# Altium PCB SimPad_2.PcbDoc
Units mm, origin at the board's own origin, x right, y up, seen from the top; angles counter-clockwise.
Board outline 50 x 50 mm, 2 copper layers (Top Layer, Bottom Layer); 20 components, 25 nets, 114 pads, 41 vias.
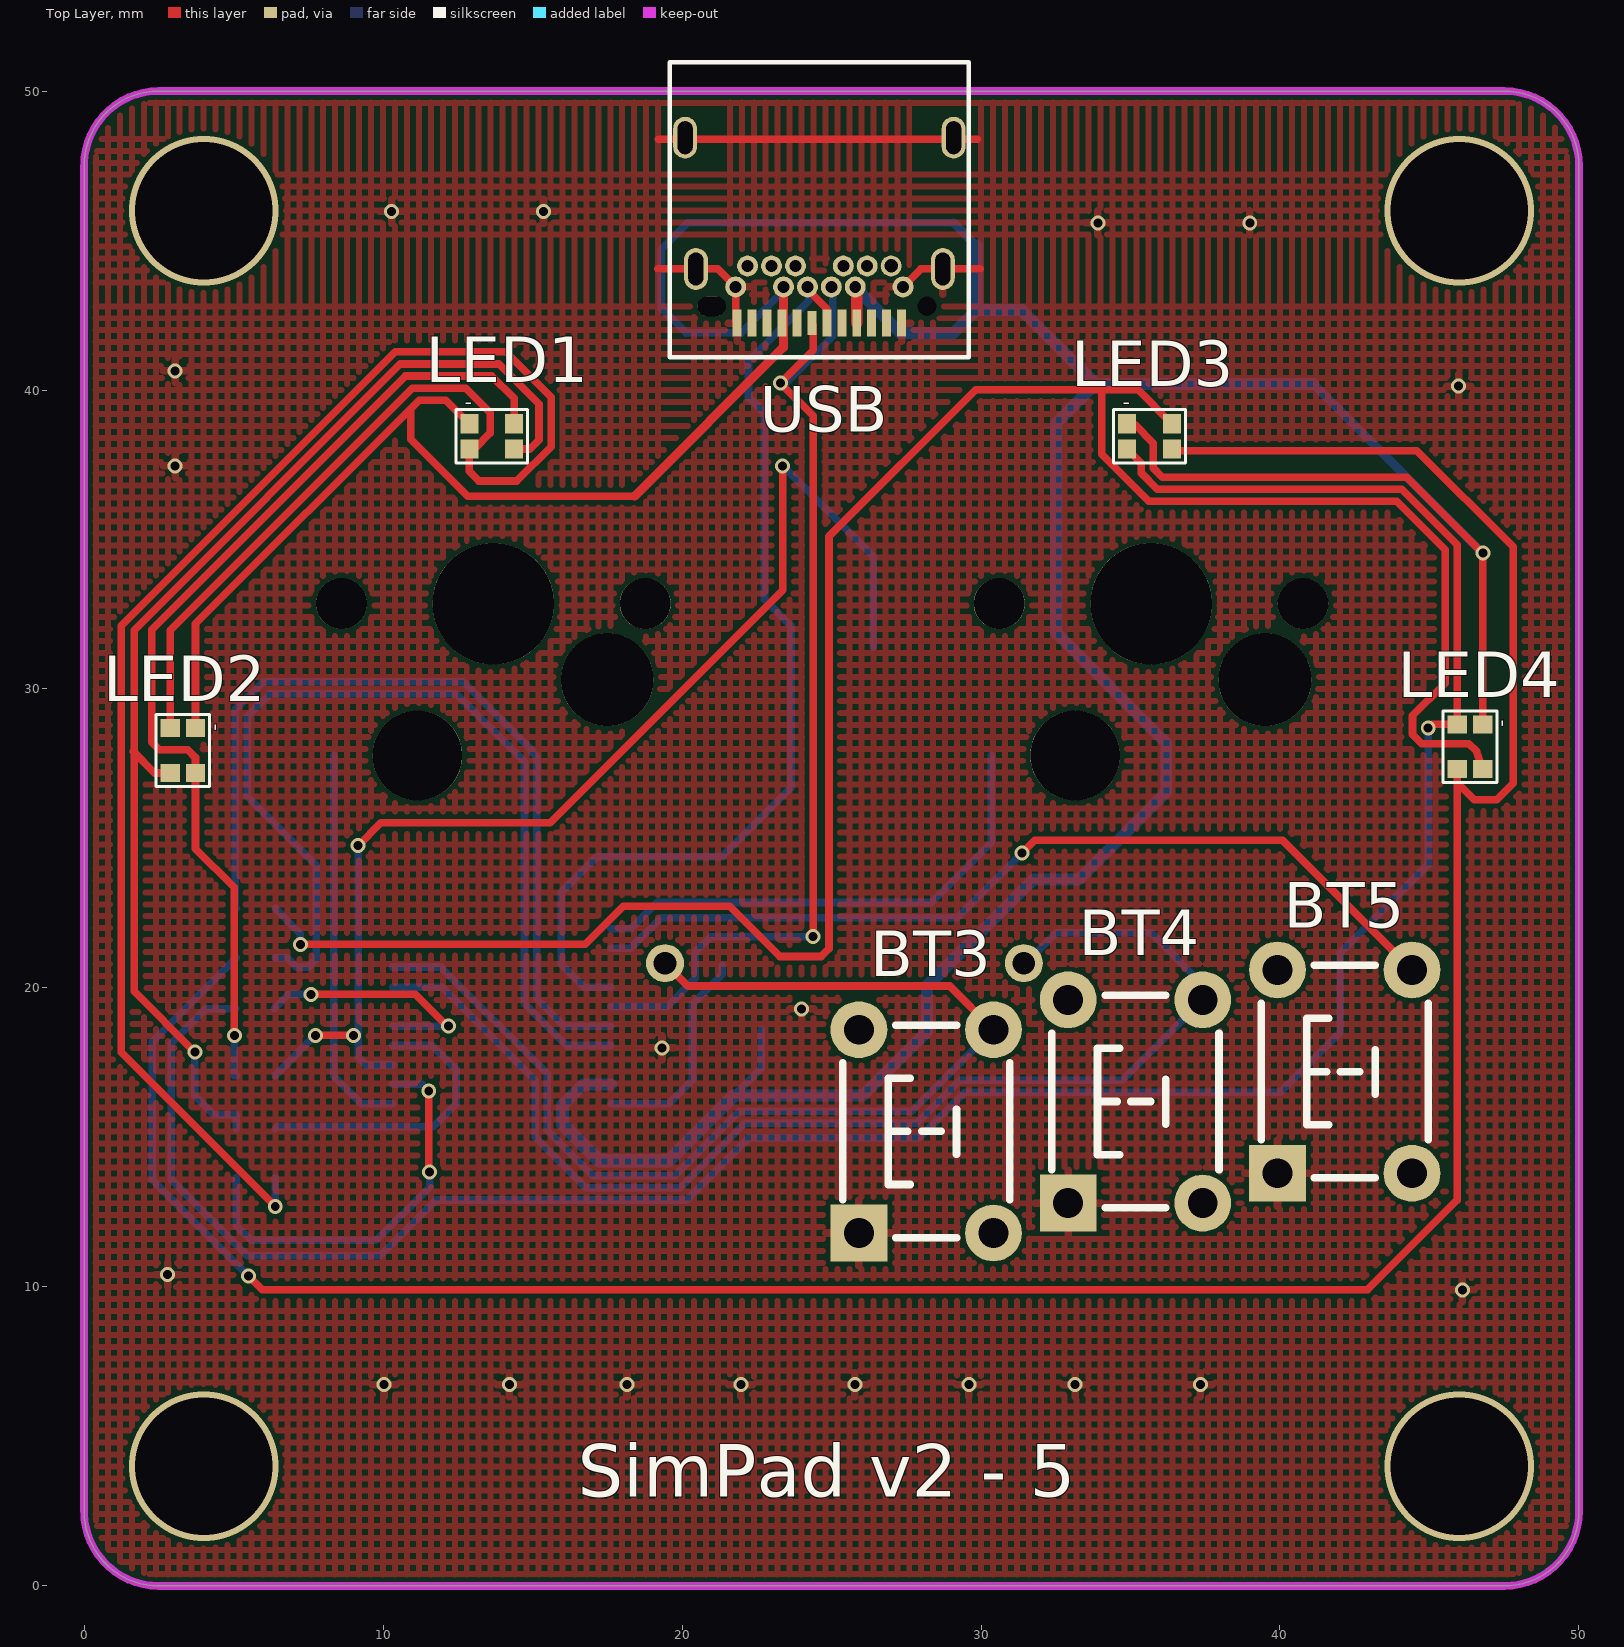
[diagram p0: Top Layer view]
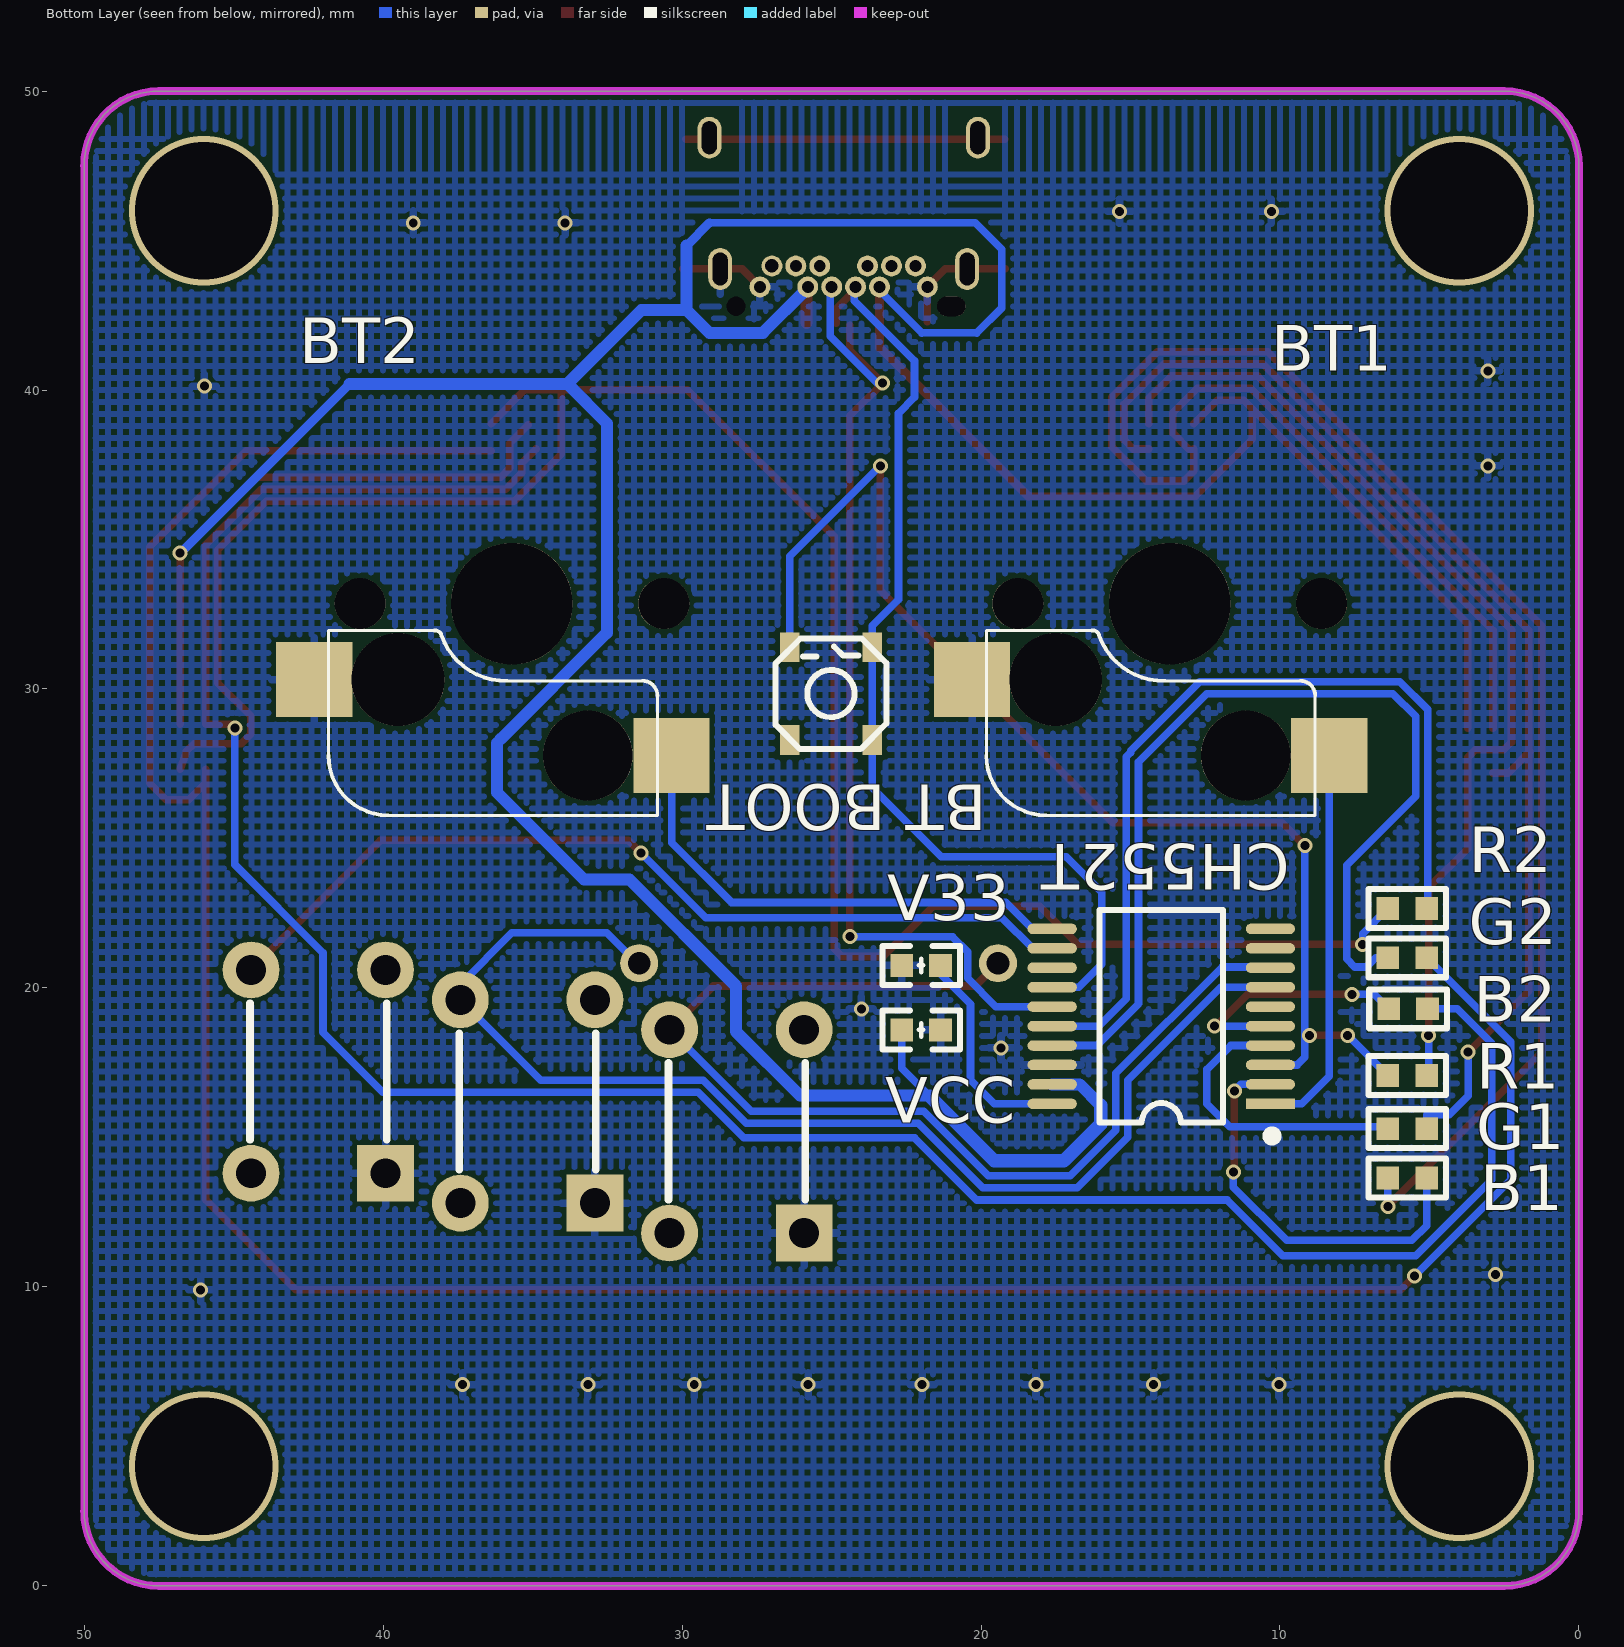
[diagram p1: Bottom Layer view, seen from below]
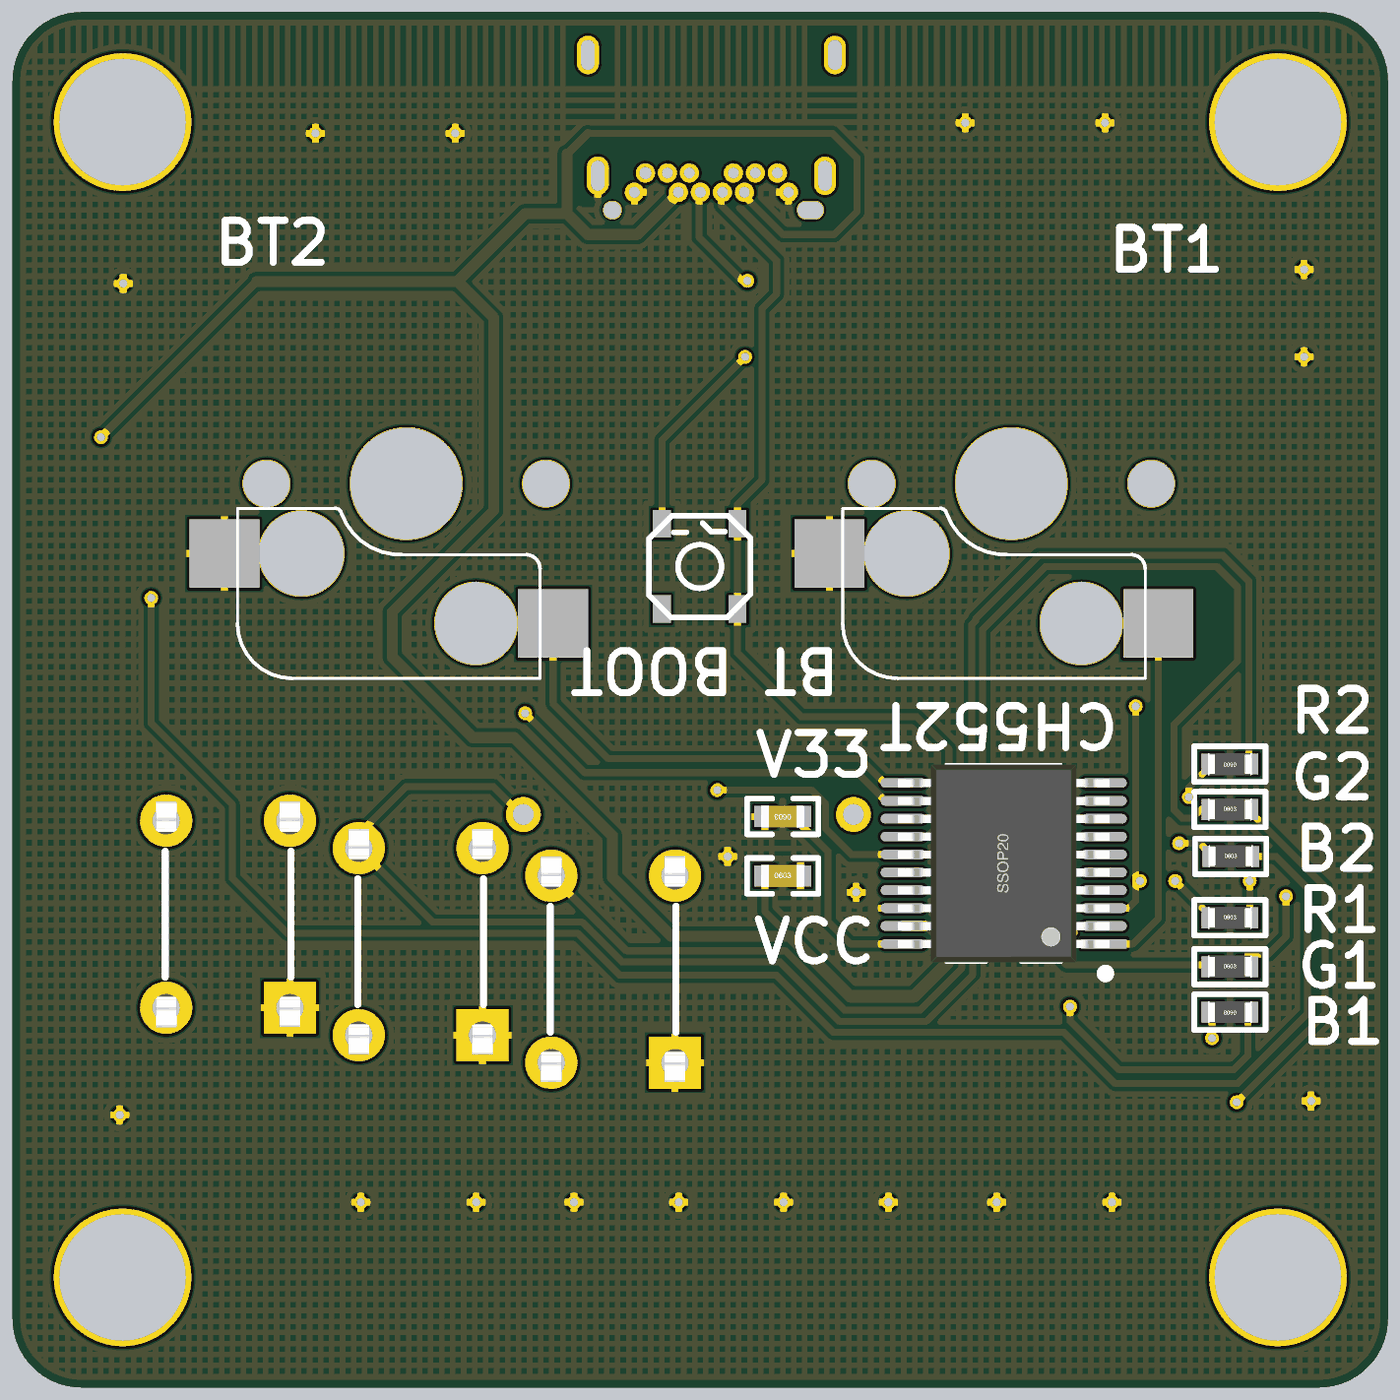
[diagram p2: 3D render of the assembled board from below, using the file's embedded part models]

## Layer stack, top to bottom
Top Layer: signal copper 0.0356
Dielectric: dielectric 0.32, FR-4, Dk 4.8
Bottom Layer: signal copper 0.0356

## Board outline
2.5,0 cw(c2.5,2.5) 0,2.5 0,47.498 0,47.5 cw(c2.5,47.5) 2.5,50 2.502,50 47.5,50 cw(c47.5,47.5) 50,47.5 50,2.502 50,2.5 cw(c47.5,2.5) 47.5,0 47.498,0

## Design rules (kind name [scope] priority, off if disabled: settings)
Clearance [All] p1: gap=0.15
PolygonConnect [All] p1: connectstyle=Relief reliefconductorwidth=0.254 reliefentries=4 polygonreliefangle="90 Angle"
RoutingVias [All] p1: holewidth=0.3 width=0.5 viastyle="Through Hole" minholewidth=0.3 minwidth=0.5 maxholewidth=0.711 maxwidth=1.27
SilkscreenOverComponentPads [All] p1: minsilkscreentomaskgap=0.254
SolderMaskExpansion [All] p1: expansion=0.102
Width [All] p1: maxlimit=2 minlimit=0.254 preferedwidth=0.254
27 further rules are at their usual default settings.

## Components (designator, comment, footprint, x,y, rotation, side; value= is the part's Value field where it differs from the comment)
B1 "100Ω" "R 0603_L" 5.745,13.644 r0 bottom (schematic designator RG1B)
B2 "100Ω" "R 0603_L" 5.715,19.304 r180 bottom (schematic designator RG2B)
BT1 "MX_SW" "MX_SW-4 - duplicate" 13.689,32.855 r180 bottom
BT2 "MX_SW" "MX_SW-4 - duplicate" 35.689,32.855 r180 bottom
BT3 "6x6x5" "TSW DIP-6*6*12" 28.165,15.204 r90 top
BT4 "6x6x5" "TSW DIP-6*6*12" 35.165,16.204 r90 top
BT5 "6x6x5" "TSW DIP-6*6*12" 42.165,17.204 r90 top
"BT BOOT" "6x6x5" PCBComponent_1 25.019,29.845 r90 bottom
CH552T "CH552T" SSOP20_N 13.97,19.05 r0 bottom (schematic designator U?)
G1 "100Ω" "R 0603_L" 5.745,15.295 r180 bottom (schematic designator RG1G)
G2 "100Ω" "R 0603_L" 5.745,21.01 r180 bottom (schematic designator RG2G)
LED1 "RGB-3528" RGB-LED 13.635,38.451 r0 top
LED2 "RGB-3528" RGB-LED 3.302,27.94 r270 top
LED3 "RGB-3528" RGB-LED 35.635,38.451 r0 top
LED4 "RGB-3528" RGB-LED 46.355,28.067 r270 top
R1 "220Ω" "R 0603_L" 5.745,17.073 r180 bottom (schematic designator RG1R)
R2 "220Ω" "R 0603_L" 5.745,22.661 r0 bottom (schematic designator RG2R)
USB "USB-C" "USB C F TYPE DIP+SMT CONN" 28.194,42.799 r180 top
V33 "104" "C 0603_L" 22.001,20.756 r0 bottom
VCC "104" "C 0603_L" 22.001,18.597 r180 bottom

## Footprints (in the part's own frame and the unit in brackets; to place one, negate y for a bottom-side part, rotate by r counter-clockwise, add the part's x,y. Pads: shape width x height; smd on the part's side, far side on the other; paste and mask are expansions set on the pad)
"C 0603_L" [mil]
  rect 30x30 smd: 1(-25.6,0) 2(25.59,0)
  silkscreen extent -51,-26 51,26, body extent -31,-16 31,16, height 32
"MX_SW-4 - duplicate" [mil] "with Fixation pins  1-Pole"
  rect 100.39x98.43 smd: 1(-260.24,-100) 2(210.24,-200)
  round 67 hole 67: ""(-200,0) ""(200,0)
  round 122.05 hole 122.05: ""(-150,-100)
  round 160 hole 160: ""(0,0)
  round 118.11 hole 118.11: ""(100,-200)
  silkscreen extent -242,-279 192,-35
PCBComponent_1 [mm]
  rect 1x0.65 smd: 1(-1.55,-1.375) 2(-1.55,1.375) 3(1.55,1.375) 4(1.55,-1.375)
  silkscreen extent -1.86,-1.85 1.84,1.85
"R 0603_L" [mil]
  rect 30x30 smd: 1(-25.59,0) 2(25.59,0)
  silkscreen extent -51,-26 51,26, body extent -31,-16 31,16, height 16
RGB-LED [mm]
  rect 0.6x0.65 smd: 1(-0.75,0.425) 2(0.75,0.425) 3(-0.75,-0.425) 4(0.75,-0.425)
  silkscreen extent -1.2,-0.9 1.2,0.9
SSOP20_N [mm]
  rect 1.65x0.35 smd: 1(-3.65,2.925)
  oval 1.65x0.35 smd: 2(-3.65,2.275) 3(-3.65,1.625) 4(-3.65,0.975) 5(-3.65,0.325) 6(-3.65,-0.325) 7(-3.65,-0.975) 8(-3.65,-1.625) 9(-3.65,-2.275) 10(-3.65,-2.925) 11(3.65,-2.925) 12(3.65,-2.275) 13(3.65,-1.625) 14(3.65,-0.975) 15(3.65,-0.325) 16(3.65,0.325) 17(3.65,0.975) 18(3.65,1.625) 19(3.65,2.275) 20(3.65,2.925)
  silkscreen extent -3.83,-3.56 2.07,4.13, body extent -3.85,-3.6 3.85,3.6, height 1.65
"TSW DIP-6*6*12" [mm]
  rect 1.9x1.9 hole 1: 1(-3.4,2.25)
  round 1.9 hole 1: 2(-3.4,-2.25) 3(3.4,-2.25) 4(3.4,2.25)
  silkscreen extent -3.56,-2.79 3.56,2.79, body extent -4.11,-3 4.11,3, height 11.95
"USB C F TYPE DIP+SMT CONN" [mm]
  oval 0.8x1.4 hole 1.1 slot 0.5 at 0 deg: 0(-0.89,-5.64) 0(-0.53,-1.25) 0(7.73,-1.25) 0(8.09,-5.64)
  rect 0.3x0.9 smd: A1(0.85,0.56) A2(1.35,0.56) A3(1.85,0.56) A4(2.35,0.56) A5(2.85,0.56) A6(3.35,0.56) A8(4.35,0.56) A9(4.85,0.56) A10(5.35,0.56) A11(5.85,0.56) A12(6.35,0.56)
  rect 0.3x0.8 smd: A7(3.85,0.56)
  round 0.7 hole 0.4: B1(6.4,-0.65) B2(6,-1.35) B3(5.2,-1.35) B4(4.8,-0.65) B5(4.4,-1.35) B6(4,-0.65) B7(3.2,-0.65) B8(2.8,-1.35) B9(2.4,-0.65) B10(2,-1.35) B12(0.8,-0.65)
  round 0.7 hole 0.45: B11(1.2,-1.35)
  round 0.6 hole 0.65: N(0,0)
  oval 0.95x0.65 hole 0.65 slot 0.95 at 0 deg: N(7.2,0)
  silkscreen extent -1.4,-8.17 8.6,1.7

## Part data
BT1 BT2: library part MX_SW-4, "with Fixation pins  1-Pole"
CH552T: library part CH376T
LED1 LED2 LED3 LED4: library part LED-RGB-35

## Free pads (board coordinates)
  round 1.27 hole 0.762: 1(19.431,20.828) 3(31.431,20.828)

## Via types
v1: diameter 0.5, hole 0.3, Top Layer to Bottom Layer, 37 vias
v2: diameter 5, hole 4.6, Top Layer to Bottom Layer, 4 vias

## Nets (pads, with @x,y where several pads share a name; then routed paths per layer and width w, separated by ;. In a path a pad name is that pad's centre, name@x,y a point inside that pad or via, vN(x,y) a via of type N, cw(c..) or ccw(c..) an arc to the next point about the centre after c; other vN are vias at no path point)
1.0: BT4.3 CH552T.7 pad.3 | length 40.7
  Bottom Layer w0.254: CH552T.7 11.979,20.025 15.09,16.914 15.09,15.009 16.787,13.312 19.939,13.312 22.098,15.471 27.853,15.471 29.296,16.914 34.725,16.914 BT4.3 ; pad.3 31.496,20.828 32.512,21.844 35.687,21.844 BT4.3@37.415,20.116
1.1: BT3.3 CH552T.8 pad.1 | length 38
  Top Layer w0.254: pad.1 20.193,20.066 28.953,20.066 BT3.3
  Bottom Layer w0.254: CH552T.8@10.32,20.701 11.938,20.701 15.494,17.145 15.494,15.24 17.018,13.716 19.76,13.716 21.919,15.875 27.686,15.875 BT3.3
1.2: CH552T.17 G2.1 | length 32.8
  Bottom Layer w0.254: G2.1 6.803,21.01 7.112,20.701 7.493,20.701 7.77,20.978 7.77,24.107 5.461,26.416 5.461,29.083 6.223,29.845 12.446,29.845 14.732,27.559 14.732,19.48 16.137,18.075 CH552T.17
1.3: CH552T.16 R2.1 | length 29.2
  Bottom Layer w0.254: R2.1 5.057,22.699 5.057,29.314 5.992,30.249 12.677,30.249 14.986,27.94 14.986,27.876 15.136,27.726 15.136,19.647 16.058,18.725 CH552T.16
1.4: B1.1 CH552T.2 | length 13.5
  Top Layer w0.254: v1(11.529,16.558) 11.529,13.871 v1(11.557,13.843)
  Bottom Layer w0.254: B1.1 5.095,12.05 5.588,11.557 9.779,11.557 11.557,13.335 v1(11.557,13.843) ; CH552T.2 11.312,16.775 v1(11.529,16.558)
1.5: "BT BOOT.3" CH552T.3 R1.1 | length 40.9
  Top Layer w0.254: v1(7.735,18.412) v1(9.014,18.412) ; v1(9.167,24.765) 9.929,25.527 15.596,25.527 23.368,33.299 v1(23.368,37.465)
  Bottom Layer w0.254: R1.1 v1(7.735,18.412) ; v1(9.014,18.412) v1@9.167,18.412 ; v1(9.167,24.765) v1@9.167,18.412 ; CH552T.3 9.421,17.425 9.167,17.679 v1@9.167,18.412 ; v1(23.368,37.465) 26.394,34.439 26.394,31.395
1.6: CH552T.4 G1.1 | length 10
  Bottom Layer w0.254: G1.1 6.458,15.358 11.675,15.358 12.446,16.129 12.446,17.272 11.643,18.075 CH552T.4
1.7: B2.1 CH552T.5 | length 8.3
  Top Layer w0.254: v1(7.592,19.784) 11.077,19.784 v1@12.164,18.697
  Bottom Layer w0.254: B2.1 6.845,19.784 v1(7.592,19.784) ; CH552T.5 v1(12.192,18.725)
3.0: CH552T.10
3.1: CH552T.9
3.2: BT1.2 CH552T.1 | length 13.1
  Bottom Layer w0.254: BT1.2 8.349,17.051 9.275,16.125 CH552T.1
3.3: BT2.2 CH552T.11 | length 16.8
  Bottom Layer w0.254: CH552T.11 18.292,21.975 19.177,22.86 28.345,22.86 30.349,24.864 BT2.2
3.4: BT5.3 CH552T.12 | length 30.1
  Top Layer w0.254: v1(31.366,24.508) 31.793,24.935 40.084,24.935 BT5.3
  Bottom Layer w0.254: CH552T.12 18.277,21.325 19.304,22.352 29.21,22.352 v1(31.366,24.508)
3.5: CH552T.13
D+: "BT BOOT.1" "BT BOOT.4" CH552T.14 USB.A6 USB.B6 | length 33.1
  Top Layer w0.2: USB.B6@24.194,43.37 USB.B6
  Top Layer w0.254: USB.B6@24.194,43.37 24.194,43.362 24.844,42.712 USB.A6
  Bottom Layer w0.254: CH552T.14 16.736,20.025 15.962,20.799 15.962,23.203 17.142,24.384 21.336,24.384 23.644,26.692 23.644,28.295 23.644,32.109 22.758,32.995 22.758,39.218 22.225,39.751 22.225,40.976 24.238,42.989 USB.B6@24.238,43.37
D-: CH552T.15 USB.A7 USB.B7 | length 33.6
  Top Layer w0.254: v1(24.384,21.717) 24.384,39.136 v1(23.289,40.231) 24.388,41.33 USB.A7@24.388,42.16
  Bottom Layer w0.254: CH552T.15 19.502,19.375 20.447,20.32 20.447,21.209 20.955,21.717 v1(24.384,21.717) ; v1(23.289,40.231) 23.467,40.231 25.038,41.802 USB.B7@25.038,43.37
G1B: B1.2 LED1.3 LED2.3 | length 66.1
  Top Layer w0.254: LED2.3 2.877,31.96 10.98,40.063 12.769,40.063 13.589,39.243 13.589,38.563 LED1.3@13.052,38.026 ; v1(6.395,12.697) 1.247,17.845 1.247,32.108 10.414,41.275 14.097,41.275 15.621,39.751 15.621,38.1 14.478,36.957 13.208,36.957 12.885,37.28 LED1.3
  Bottom Layer w0.254: v1(6.395,12.697) B1.2
G1G: G1.2 LED1.4 LED2.4 | length 40
  Top Layer w0.254: 1.651,27.909 2.37,27.19 LED2.4 ; v1(3.706,17.854) 1.674,19.885 1.674,31.964 10.581,40.871 13.866,40.871 15.217,39.52 15.217,38.331 14.912,38.026 LED1.4
  Bottom Layer w0.254: v1(3.706,17.854) 3.706,16.392 4.341,15.757 5.095,15.757 G1.2
G1R: LED1.2 LED2.2 R1.2 | length 33.5
  Top Layer w0.254: v1(5.027,18.415) 5.027,23.361 3.727,24.661 LED2.2 3.727,27.709 3.473,27.963 2.512,27.963 2.258,28.217 2.258,31.976 10.749,40.467 13.635,40.467 14.385,39.717 LED1.2
  Bottom Layer w0.254: v1(5.027,18.415) 5.027,17.073 R1.2
G2B: B2.2 LED3.3 LED4.3 | length 81.4
  Top Layer w0.254: LED3.3 35.357,37.554 35.357,37.224 35.901,36.68 44.07,36.68 45.93,34.82 LED4.3 45.073,28.817 v1(44.958,28.702)
  Bottom Layer w0.254: B2.2 4.077,19.304 2.921,18.148 2.921,13.589 5.461,11.049 9.906,11.049 11.765,12.908 20.147,12.908 22.225,14.986 27.94,14.986 29.464,16.51 40.005,16.51 42.009,18.514 42.009,21.181 44.958,24.13 v1(44.958,28.702)
G2G: G2.2 LED3.4 LED4.4 | length 92.4
  Top Layer w0.254: v1(5.5,10.37) 5.964,9.906 42.926,9.906 45.93,12.91 45.93,26.861 ; LED3.4@36.385,37.973 44.577,37.973 47.8,34.75 47.8,26.845 47.244,26.289 46.502,26.289 45.93,26.861 ; LED4.4 45.93,26.861
  Bottom Layer w0.254: G2.2 2.286,18.201 2.286,13.584 v1(5.5,10.37)
G2R: LED3.2 LED4.2 R2.2 | length 72.9
  Top Layer w0.254: v1(7.236,21.46) 16.761,21.46 18.034,22.733 21.59,22.733 23.269,21.054 24.661,21.054 24.915,21.308 24.915,35.1 29.82,40.005 35.256,40.005 LED3.2 ; 34.036,39.987 34.036,37.846 35.606,36.276 43.903,36.276 45.526,34.653 45.526,30.197 44.431,29.102 44.431,28.484 44.74,28.175 46.314,28.175 46.577,27.912 LED4.2
  Bottom Layer w0.254: R2.2 7.236,21.82 v1(7.236,21.46)
GND: BT1.1 BT2.1 BT3.1 BT4.1 BT5.1 CH552T.18 USB.0 USB.A1 USB.A12 USB.B1 USB.B12 V33.2 VCC.2 | length 18.4
  Top Layer w0.254: 19.197,44.049 20.464,44.049 21.194,44.049 USB.B1 USB.A12@21.794,42.289 ; 19.2,48.387 29.873,48.387 ; USB.B12 27.994,44.049 28.724,44.049 29.98,44.049
  Bottom Layer w0.254: USB.0@20.464,44.049 USB.0@20.464,44.571 ; USB.0@28.724,44.049 USB.0@28.724,44.405
  other v1: 10.033,6.731 14.224,6.731 18.161,6.731 21.971,6.731 25.781,6.731 29.591,6.731 33.147,6.731 37.338,6.731 46.101,9.906 2.794,10.414 19.331,18 24,19.304 3.048,37.465 45.974,40.132 3.048,40.64 33.909,45.593 38.989,45.593 10.287,45.974 15.367,45.974
V3: CH552T.20 V33.1 | length 7.3
  Bottom Layer w0.254: CH552T.20 19.554,16.125 20.35,16.921 20.35,19.461 21.351,20.462 V33.1
VCC: CH552T.19 LED1.1 LED2.1 LED3.1 LED4.1 USB.A4 USB.A9 USB.B4 USB.B9 VCC.1 | length 148.1
  Top Layer w0.254: LED2.1 3.727,32.175 11.211,39.659 12.102,39.659 LED1.1 ; 10.922,39.37 10.922,38.354 12.827,36.449 18.415,36.449 ; USB.B4@23.388,43.32 USB.B4@23.438,43.37 ; LED3.1@35.151,38.834 35.761,38.224 35.761,37.391 36.068,37.084 44.237,37.084 v1@46.78,34.541 ; LED4.1 v1@46.78,34.541 ; v1(46.784,34.541) v1@46.78,34.541
  Top Layer w0.3: 18.415,36.449 23.388,41.422 USB.B4@23.388,43.32
  Top Layer w0.4: USB.A4 USB.B9@25.844,43.399
  Bottom Layer w0.254: 20.14,41.907 19.304,42.743 19.304,44.704 20.193,45.593 29.083,45.593 ; 20.14,41.91 21.975,41.91 ; 21.74,16.406 22.651,17.317 VCC.1 ; 21.975,41.907 USB.B4@23.438,43.37
  Bottom Layer w0.3: 29.083,45.593 29.845,44.831 ; 41.12,40.206 v1(46.784,34.541)
  Bottom Layer w0.4: 16.002,16.078 16.699,16.775 CH552T.19 ; 21.74,16.406 26.058,16.406 28.194,18.542 28.194,20.066 31.75,23.622 33.274,23.622 36.195,26.543 36.195,28.194 ; USB.B9@25.838,43.37 27.298,41.91 29.083,41.91 29.845,42.672 ; 29.845,44.831 29.845,42.672 ; 36.068,28.321 32.512,31.877 32.512,38.887 33.83,40.206 ; 41.12,40.206 33.83,40.206 ; 29.845,42.672 31.364,42.672 33.83,40.206
  Bottom Layer w0.45: 16.002,16.078 16.002,15.442 17.226,14.218 19.552,14.218 21.717,16.383
pads on no net: "BT BOOT.2" BT1. BT2. BT3.2 BT3.4 BT4.2 BT4.4 BT5.2 BT5.4 CH552T.6 USB.A2 USB.A3 USB.A5 USB.A8 USB.A10 USB.A11 USB.B2 USB.B3 USB.B5 USB.B8 USB.B10 USB.B11 USB.N
copper on no net:
  other v2: 4,4 46,4 4,46 46,46

## Polygon pours and split planes (outlines as drawn)
GND on Bottom Layer "Bottom Layer-No Net" (hatched 90Degree grid 0.4 track 0.2, remove dead copper, pour order 3): -2.667,51.943 -1.651,52.959 59.944,52.959 59.944,3.556 52.832,-3.556 49.784,-0.508 -2.667,-0.508
GND on Top Layer "Bottom Layer-No Net" (hatched 90Degree grid 0.4 track 0.2, remove dead copper, pour order 5): -3.683,52.07 55.753,52.07 57.785,50.038 52.451,44.704 52.451,-2.921 -0.381,-2.921 -4.318,1.016

## Keep-outs
Keep-Out Layer:
  lines w0.254: 0,47.498 0,2.5 ccw(c2.5,2.5) 2.5,0 47.498,0 ; 0,47.5 cw(c2.5,47.5) 2.5,50 ; 2.502,50 47.5,50 cw(c47.5,47.5) 50,47.5 50,2.502 ; 47.5,0 ccw(c47.5,2.5) 50,2.5

## Silkscreen, mask and mechanical layers (free items; w line width, h text height)
Top Overlay:
  text "SimPad v2 - 5" at 16.51,2.4 h3

## Text inside footprints (layer, text, board x,y; h text height)
LED1: Top Overlay "-" at 12.735,39.351 h0.5
LED2: Top Overlay "-" at 4.202,28.84 h0.5 r270
LED3: Top Overlay "-" at 34.735,39.351 h0.5
LED4: Top Overlay "-" at 47.255,28.967 h0.5 r270